# Altium PCB Spectre-Analyzer.PcbDoc (part 1 of 2)
Units mm, origin at the board's own origin, x right, y up, seen from the top; angles counter-clockwise.
Board outline 60 x 40 mm, 4 copper layers (Top Layer, GND, PWR, Bottom Layer), stack 1.586 mm thick; 93 components, 68 nets, 327 pads, 116 vias.
Unrouted connection lines stored in the file: 12.
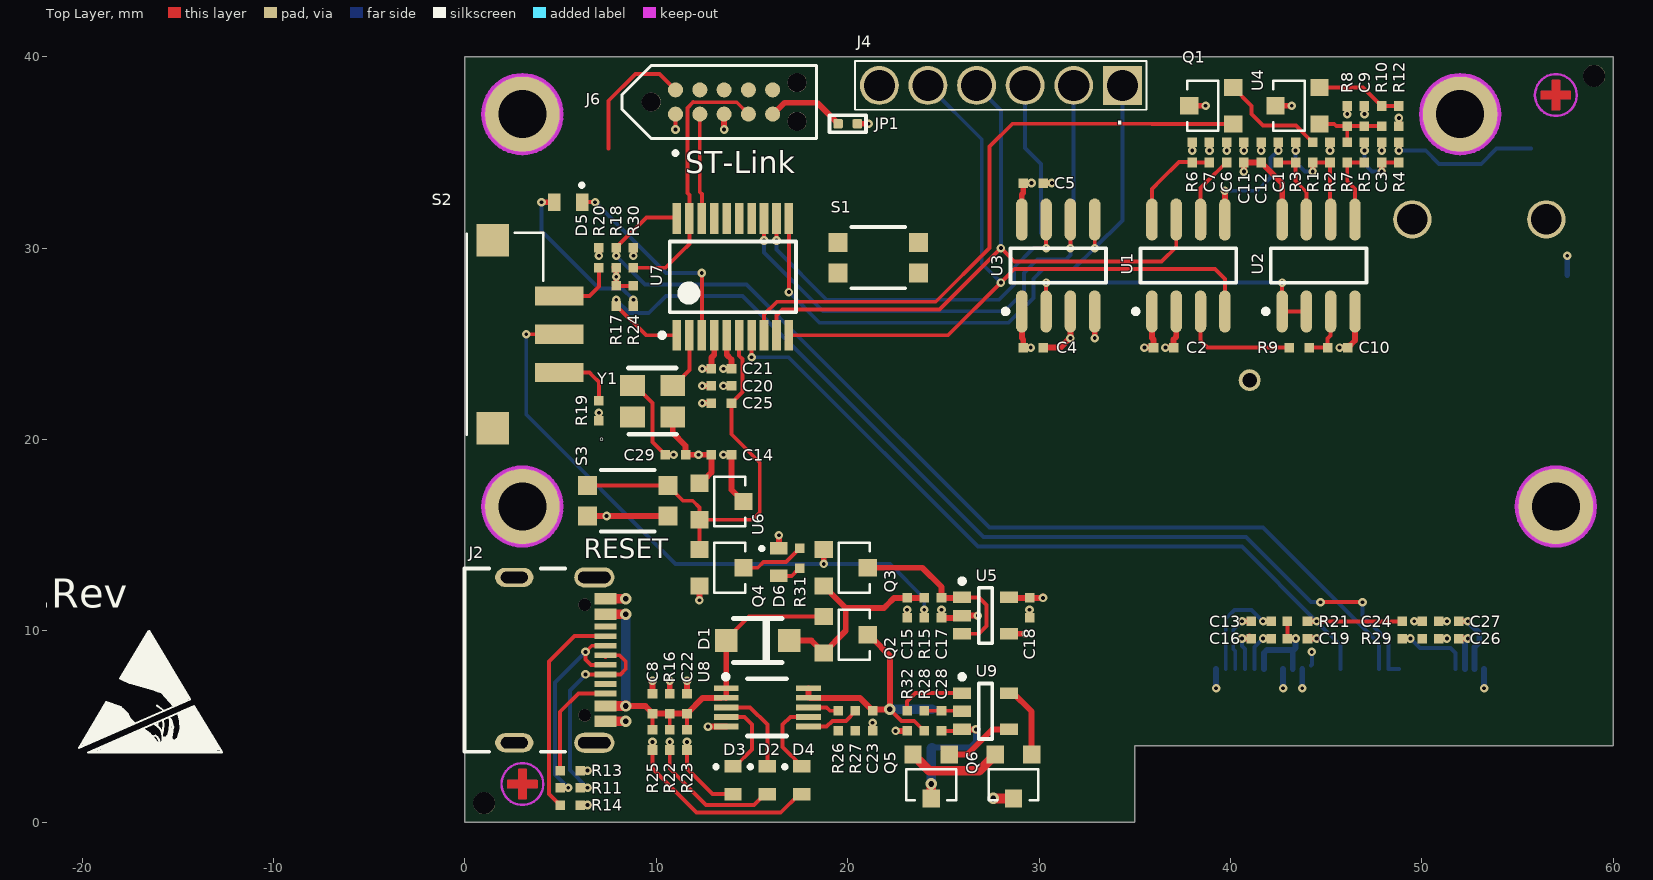
[diagram p0: Top Layer view]
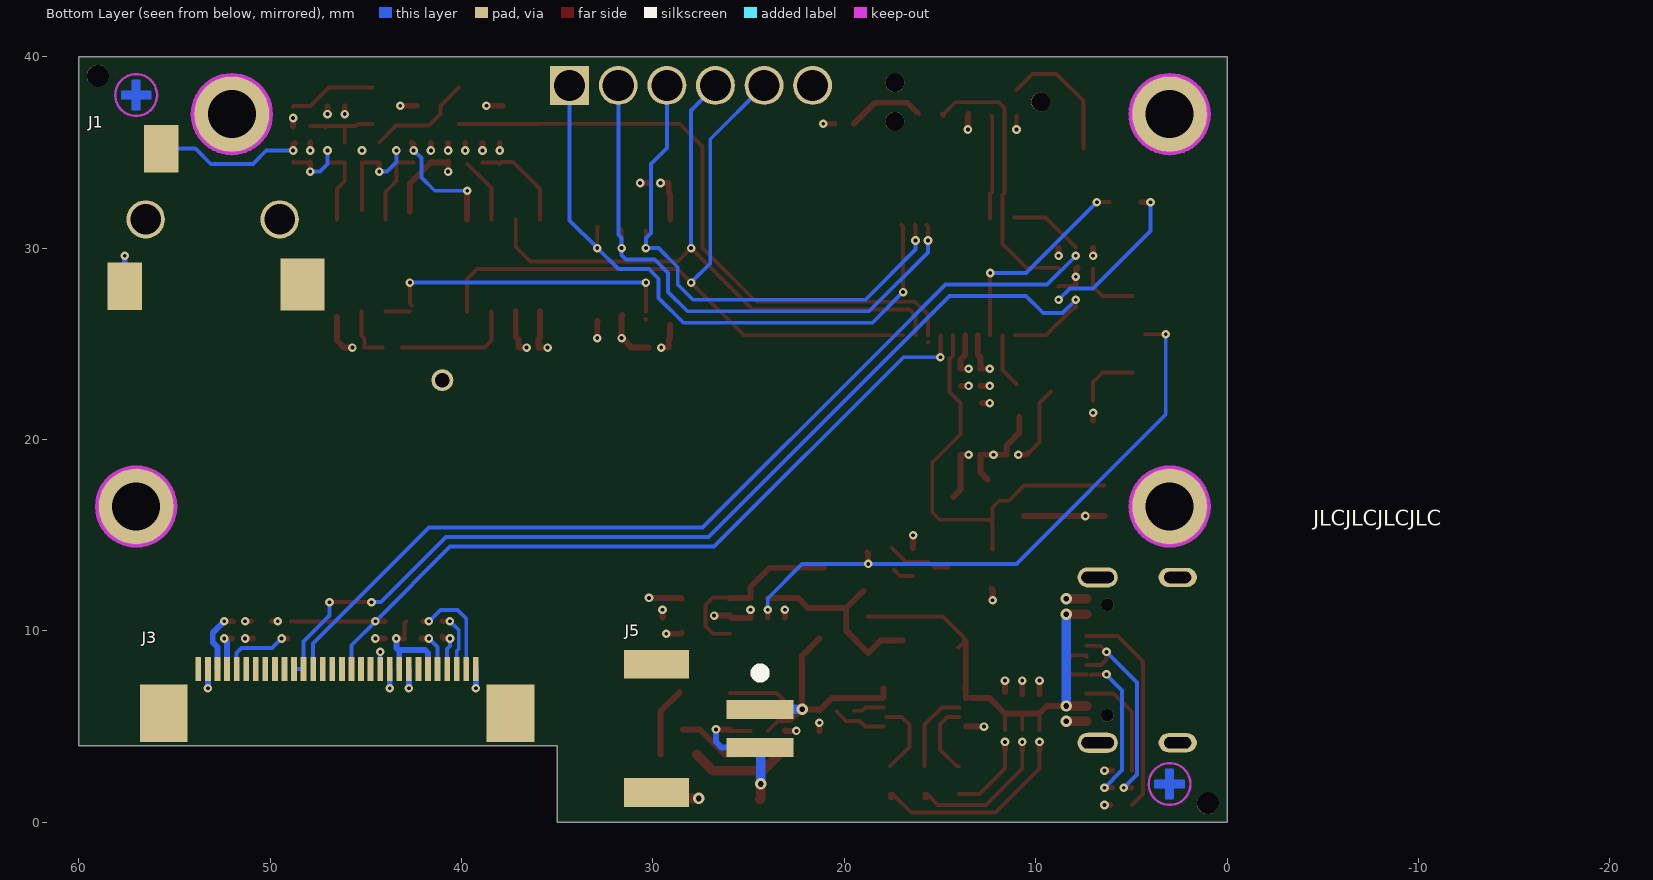
[diagram p1: Bottom Layer view, seen from below]
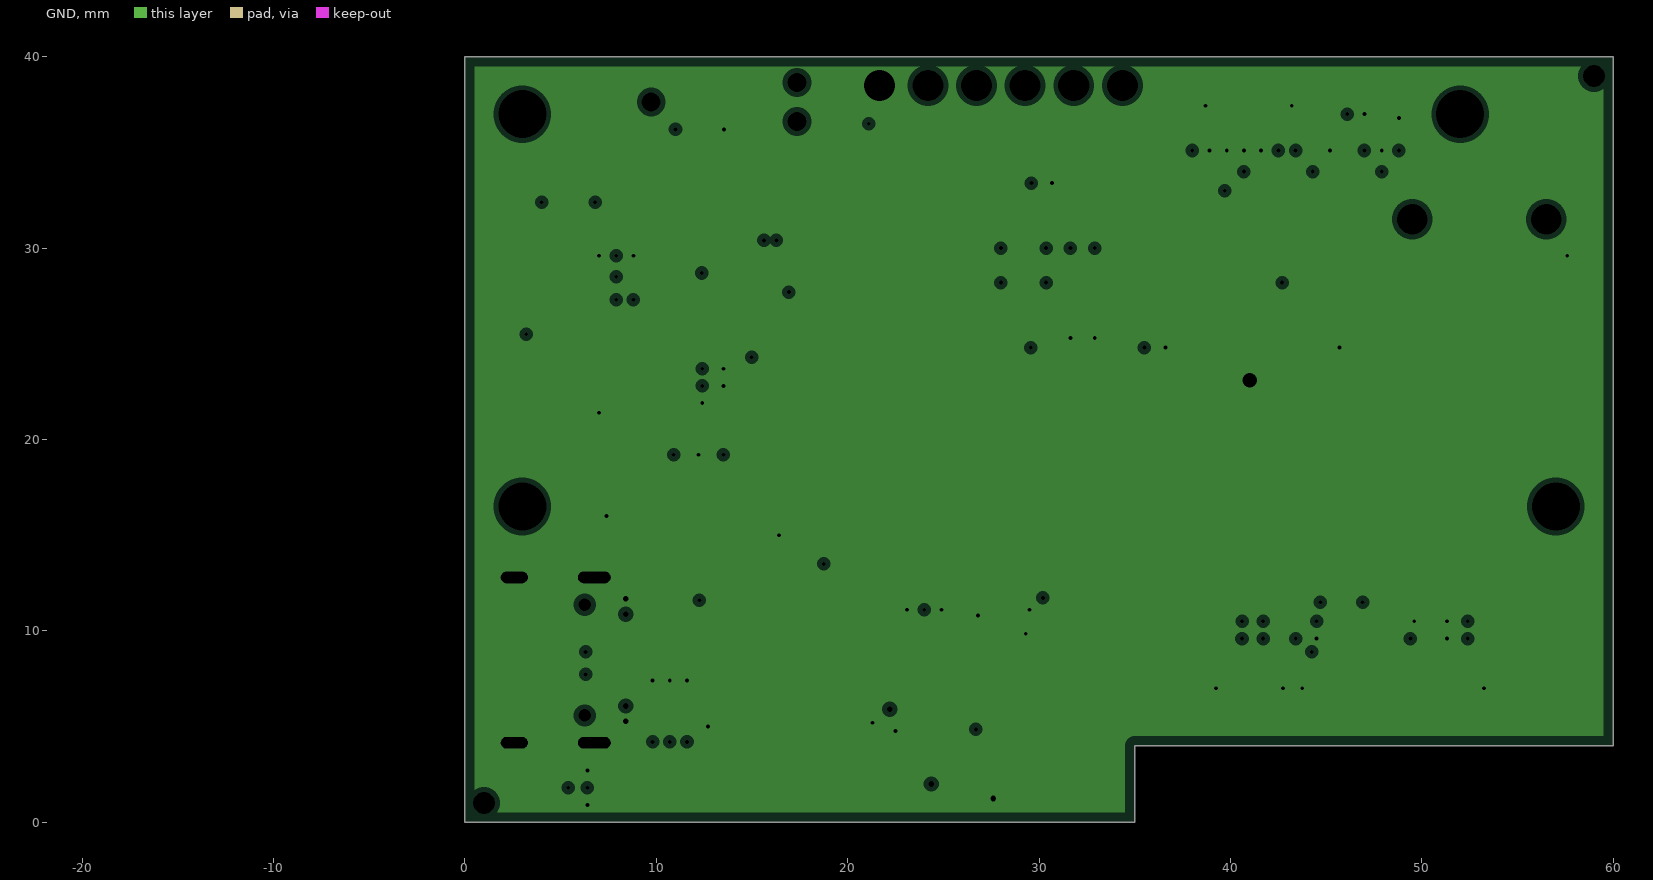
[diagram p2: GND, clearances drawn from the general rule]
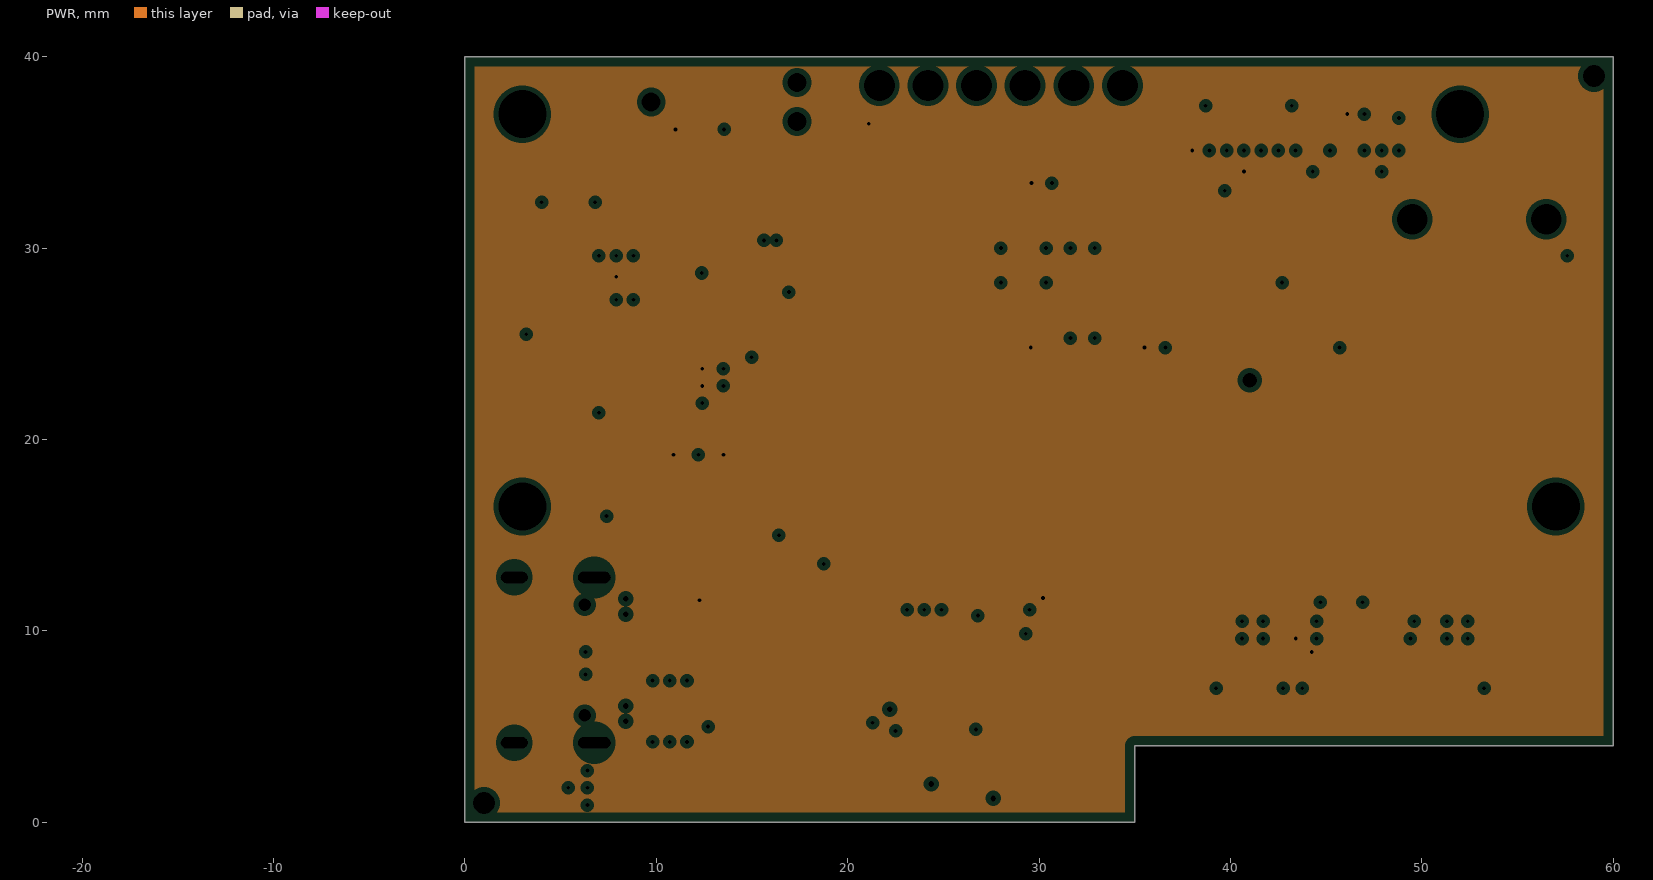
[diagram p3: PWR, clearances drawn from the general rule]
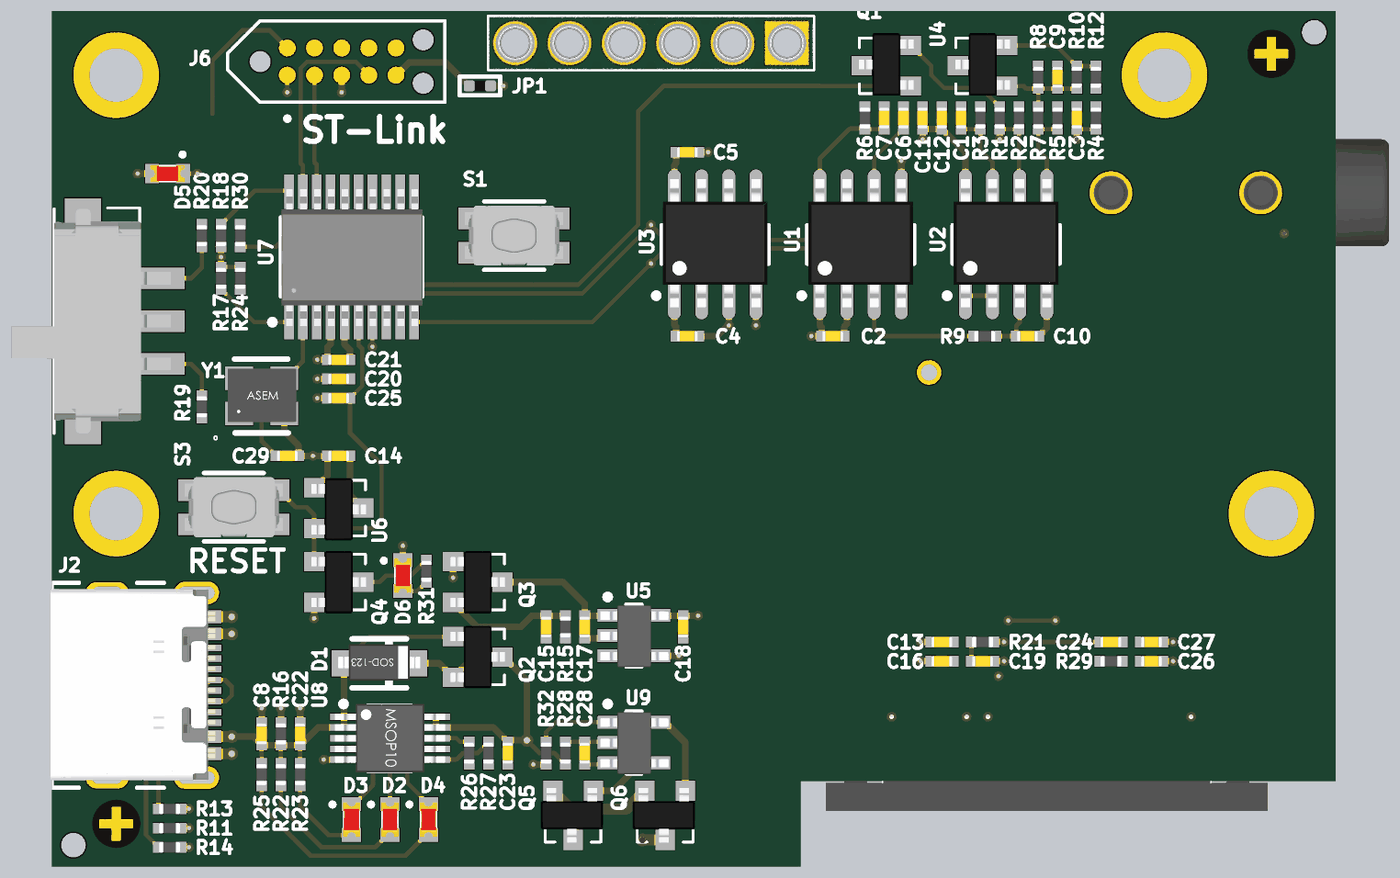
[diagram p5: 3D render of the assembled board from above, using the file's embedded part models]
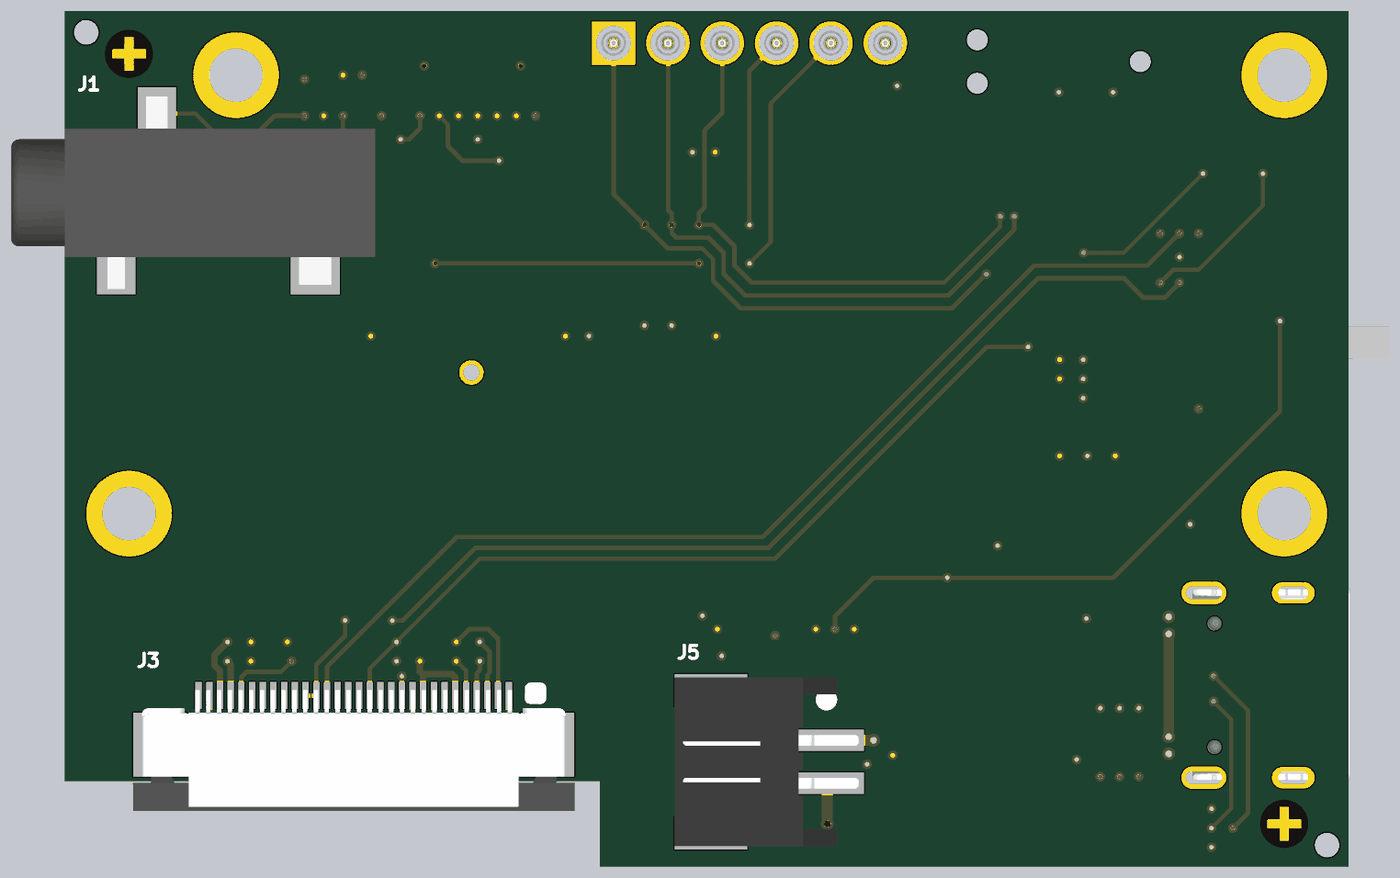
[diagram p6: 3D render of the assembled board from below, using the file's embedded part models]

## Layer stack, top to bottom
Top Solder: solder mask 0.01, Solder Resist, Dk 3.5
Top Layer: signal copper 0.035
Prepreg: prepreg 0.2104, FR-4, Dk 4.6
GND: plane copper 0.0152, net GND
Dielectric 2: core 1.065, Dk 4.6
PWR: plane copper 0.0152, net +3.3V
Dielectric 1: prepreg 0.2104, Dk 4.6
Bottom Layer: signal copper 0.035
Bottom Solder: solder mask 0.01, Solder Resist, Dk 3.5

## Board outline
0,0 0,40 60,40 60,4 35,4 35,0

## Design rules (kind name [scope] priority, off if disabled: settings)
BoardOutlineClearance [All] p1: gap=0.381 ignorepadtopadclearanceinfootprint=FALSE
Clearance "Clearance Polygons" [InPolygon] p1: gap=0.254 ignorepadtopadclearanceinfootprint=FALSE except(0: Arc-Hole Track-Hole SMDPad-Hole THPad-Hole Via-Hole Fill-Hole Poly-Hole Region-Hole Text-Hole)
Clearance [All] p2: gap=0.127 ignorepadtopadclearanceinfootprint=FALSE except(0: Arc-Hole Track-Hole SMDPad-Hole THPad-Hole Via-Hole Fill-Hole Poly-Hole Region-Hole Text-Hole)
ComponentClearance "HM-TRP & UFL" [InComponent('X1') vs InComponent('U1')] p1: gap=0 collisioncheckmode=3 verticalgap=0 showdistances=FALSE
ComponentClearance [All] p2: gap=0.025 collisioncheckmode=3 verticalgap=0.025 showdistances=FALSE
DiffPairsRouting [All] p1: maxlimit=10 minlimit=0.127 mostfreqgap=0.203 toplayer_minwidth=0.127 toplayer_maxwidth=0.381 toplayer_prefwidth=0.203 bottomlayer_minwidth=0.127 bottomlayer_maxwidth=0.381 bottomlayer_prefwidth=0.203 maxuncoupledlength=12.7
HoleSize [All] p1: absolutevalues=TRUE maxlimit=6.731 minlimit=0.2 maxpercent=80.000 minpercent=20.000
HoleToHoleClearance [All] p1: gap=0.254 allowstackedmicrovias=FALSE
MinimumAnnularRing [All] p1: minimumring=0.102
MinimumSolderMaskSliver [All] p1: minsoldermaskwidth=0
PlaneClearance [All] p1: clearance=0.254
PlaneConnect [All] p1: planeconnectstyle=Relief reliefexpansion=0.102 reliefentries=4 reliefconductorwidth=0.152 reliefairgap=0.152
PolygonConnect "Via connect style" [isVia] p1: connectstyle=Direct reliefconductorwidth=0.254 reliefentries=4 polygonreliefangle="90 Angle" airgapwidth=0.254
PolygonConnect [All] p2: connectstyle=Relief reliefconductorwidth=0.254 reliefentries=4 polygonreliefangle="90 Angle" airgapwidth=0.152
RoutingCorners [All] p1: cornerstyle=45-Degree minsetback=1.25 maxsetback=1.25
RoutingVias [All] p1: holewidth=0.305 width=0.559 viastyle="Through Hole" minholewidth=0.254 minwidth=0.457 maxholewidth=2.54 maxwidth=2.896
SilkToSilkClearance [All] p1: silktosilkclearance=0
SilkToSolderMaskClearance [IsPad] p1: minsilkscreentomaskgap=0.025 clearancetoexposedcopper=TRUE
SolderMaskExpansion [All] p1: expansion=0.064
Width GND [InNet('GND')] p1: maxlimit=0.762 minlimit=0.254 preferedwidth=0.508
Width Power [InNetClass('Power')] p2: maxlimit=1.016 minlimit=0.508 preferedwidth=0.762
Width 3V3 [InNetClass('3V3')] p3: maxlimit=0.762 minlimit=0.254 preferedwidth=0.508
Width [All] p4: maxlimit=10.16 minlimit=0.152 preferedwidth=0.203
20 further rules are at their usual default settings.

## Classes and differential pairs
component class "Power Input": D1 Q2 Q3 Q4 R15 R16 R17 R18 R21 R26 R30 R31
component class -: C8 C27 R11 R13 R14 R19 R20
component class Interface: "  " C1 C2 C6 C7 C10 C12 C13 C14 C15 C16 C17 C18 C19 C20 C21 C22 C23 C24 C25 C26 C28 C29 D2 D3 D4 D5 D6 R24 R27 R29 R32

## Components (designator, comment, footprint, x,y, rotation, side; value= is the part's Value field where it differs from the comment)
C1 "0.1uF" 0402 42.5,35 r270 top
C2 "0.1uF" 0402 36.5,24.8 r180 top
C3 "100pF" 0402 47.9,35 r270 top
C4 "2.2uF" 0402 29.7,24.8 r180 top
C5 "2.2uF" 0402 29.7,33.4 r180 top
C6 "0.1uF" 0402 39.8,35 r270 top
C7 "33pF" 0402 38.9,35 r270 top
C8 "10uF" 0402 9.8,6.2 r270 top
C9 "2.2uF" 0402 47,36.9 r270 top
C10 "0.1uF" 0402 45.6,24.8 r180 top
C11 "2.2uF" 0402 40.7,35 r270 top
C12 "0.1uF" 0402 41.6,35 r270 top
C13 "2.2uF" 0402 41.6,10.5 r180 top
C14 "0.1uF" 0402 13.4,19.2 r0 top
C15 "2.2uF" 0402 23.1,11.2 r90 top
C16 "2.2uF" 0402 41.6,9.6 r0 top
C17 "2.2uF" 0402 24.9,11.2 r90 top
C18 "2.2uF" 0402 29.5,11.2 r90 top
C19 "2.2uF" 0402 43.5,9.6 r180 top
C20 "2.2uF" 0402 13.4,22.8 r180 top
C21 "0.1uF" 0402 13.4,23.7 r180 top
C22 "2.2uF" 0402 11.6,6.2 r270 top
C23 "2.2uF" 0402 21.3,5.3 r90 top
C24 "0.1uF" 0402 49.5,10.5 r180 top
C25 "0.1uF" 0402 13.4,21.9 r0 top
C26 "2.2uF" 0402 51.4,9.6 r0 top
C27 "10uF" 0402 51.4,10.5 r0 top
C28 "0.1uF" 0402 24.9,5.3 r90 top
C29 "0.01uF" 0402 11,19.2 r180 top
D1 "1N5819" SOD-123 15.3,9.5 r0 top
D2 "LED_ORG" 0603_LED_Red 15.8,2.2 r90 top
D3 "LED_GRN" 0603_LED_Red 14,2.2 r90 top
D4 "LED_RED" 0603_LED_Red 17.6,2.2 r90 top
D5 "LED_GRN" 0603_LED_Red 5.4,32.4 r0 top
D6 "LED_RED" 0603_LED_Red 16.4,13.6 r90 top
J1 "STX-3500-3NTR" STX-3500-3NTR 49.5,31.5 r90 bottom locked
J2 "USB4105-GF-A" USB4105-GF-A 4,8.5 r270 top locked
J3 "ER-CON30HT-1" ER-CON30HT-1 46.5,5 r180 bottom
J4 "HEADER 6" 801-43-006-10-012000 28,38.5 r180 top
J5 "S2B-PH-SM4-TB(LF)(SN)" S2B-PH-SM4-TB(LF)(SN) 31.5,9 r270 bottom locked
J6 "TC2050-IDC-NL" TC2050-IDC-NL-FP 11,37 r90 top locked
JP1 "Solder Jumper" "SOLDER JUMPER" 20,36.5 r0 top
Q1 "AO3400A" SOT-23-3 39,37.5 r90 top
Q2 "AO3401A" SOT-23 19.9,9.8 r270 top
Q3 "AO3401A" SOT-23 19.9,13.3 r270 top
Q4 "AO3401A" SOT-23 13.4,13.3 r270 top
Q5 "AO3400A" SOT-23-3 24.3,2.4 r180 top
Q6 "AO3400A" SOT-23-3 28.6,2.4 r180 top
R1 "10k" 0402 44.3,35 r270 top
R2 "10k" 0402 45.2,35 r270 top
R3 "10k" 0402 43.4,35 r270 top
R4 "680" 0402 48.8,35 r270 top
R5 "10k" 0402 47,35 r270 top
R6 "200k" 0402 38,35 r270 top
R7 "10k" 0402 46.1,35 r270 top
R8 "680" 0402 46.1,36.9 r270 top
R9 "1k" 0402 43.6,24.8 r0 top
R10 "3.3k" 0402 47.9,36.9 r90 top
R11 "0" 0402 5.5,1.8 r0 top
R12 "10k" 0402 48.8,36.9 r270 top
R13 "5.1k" 0402 5.5,2.7 r180 top
R14 "5.1k" 0402 5.5,0.9 r180 top
R15 "10k" 0402 24,11.2 r90 top
R16 "10k" 0402 10.7,6.2 r270 top
R17 "10k" 0402 7.9,27.5 r90 top
R18 "10k" 0402 7.9,29.5 r270 top
R19 "0" 0402 7,21.5 r270 top
R20 "DNP" 0402 7,29.5 r90 top
R21 "10k" 0402 43.5,10.5 r180 top
R22 "1k" 0402 10.7,4.3 r270 top
R23 "1k" 0402 11.6,4.3 r270 top
R24 "1k" 0402 8.8,27.5 r90 top
R25 "1k" 0402 9.8,4.3 r270 top
R26 "10k" 0402 19.5,5.3 r90 top
R27 "2.7k" 0402 20.4,5.3 r270 top
R28 "330" 0402 24,5.3 r90 top
R29 "390k" 0402 49.5,9.6 r180 top
R30 "10k" 0402 8.8,29.5 r270 top
R31 "1k" 0402 17.5,13.8 r90 top
R32 "2.7k" 0402 23.1,5.3 r270 top
S1 "KMR243GLFG" "KMR 2 Series" 21.6,29.5 r180 top
S2 "SS312SAH4-R" SW_SS312SAH4-R 3.4,25.5 r0 top locked
S3 "KMR243GLFG" "KMR 2 Series" 8.5,16.8 r180 top
U1 "MSGEQ7N" SOIC-8 37.8,29.1 r90 top
U2 "MCP6002" SOIC-8 44.6,29.1 r90 top
U3 "MCP3001" SOIC-8 31,29.1 r90 top
U4 "TLV431" SOT-23-3 43.5,37.5 r90 top
U5 "TPS78233DDCR" TSOT23-5 27.2,10.8 r0 top
U6 "TPS3809K33DBVR" SOT-23-3 13.4,16.7 r270 top
U7 "STM32G031F8P6" TSSOP-20 14,28.5 r90 top locked
U8 "MCP73833" MSOP-10 15.8,6 r270 top
U9 "AP9101" TSOT23-5 27.2,5.8 r0 top
Y1 "ASE-10.000-MHZ-E-T" ASE-XXXXX-X-X-X 9.8,22 r0 top locked

## Footprints (in the part's own frame and the unit in brackets; to place one, negate y for a bottom-side part, rotate by r counter-clockwise, add the part's x,y. Pads: shape width x height; smd on the part's side, far side on the other; paste and mask are expansions set on the pad)
0402 [mm] "Chip Capacitor; Body 1.0 x 0.5 mm (LxW typ)"
  rect 0.5x0.5 smd mask+0.038: 1(-0.525,0) 2(0.525,0)
  body extent -0.5,-0.25 0.5,0.25, height 0.6
0603_LED_Red [mm]
  rect 0.65x0.9 smd mask+0.038: 1(-0.725,0) 2(0.725,0)
  silkscreen extent 0.64,0.83 0.76,0.95, body extent -0.8,-0.4 0.8,0.4, height 0.6
801-43-006-10-012000 [mil] "6 Position Receptacle Connector 0.100\" (2.54mm) Through Hole Gold"
  rect 80x80 hole 64: 1(-250,0)
  round 80 hole 64: 2(-150,0) 3(-50,0) 4(50,0) 5(150,0) 6(250,0)
  silkscreen extent -300,-50 300,50, body extent -300,-50 300,50, height 110
ASE-XXXXX-X-X-X [mil] "OSC XO x.xxxMHZ CMOS SMD"
  rect 51x43 smd mask+1.5: 1(-41.5,-32.5) 2(41.5,-32.5) 3(41.5,32.5) 4(-41.5,32.5)
  silkscreen extent -50,-68 49,68, body extent -62,-48 64,50, height 34
ER-CON30HT-1 [mm]
  rect 0.3x1.25 smd paste+0: 1(7.25,3) 2(6.75,3) 3(6.25,3) 4(5.75,3) 5(5.25,3) 6(4.75,3) 7(4.25,3) 8(3.75,3) 9(3.25,3) 10(2.75,3) 11(2.25,3) 12(1.75,3) 13(1.25,3) 14(0.75,3) 15(0.25,3) 16(-0.25,3) 17(-0.75,3) 18(-1.25,3) 19(-1.75,3) 20(-2.25,3) 21(-2.75,3) 22(-3.25,3) 23(-3.75,3) 24(-4.25,3) 25(-4.75,3) 26(-5.25,3) 27(-5.75,3) 28(-6.25,3) 29(-6.75,3) 30(-7.25,3)
  rect 2.5x3 smd paste+0: S1(9.06,0.7) S2(-9.06,0.7)
  rrect50% 1x1 on Bottom Overlay: ""(8.5,3.1)
  body extent -10.32,-2.4 10.33,3.25, height 2.2
"KMR 2 Series" [mm]
  rect 1x1 smd: 1(-2.1,0.8) 1(2.1,0.8) 2(-2.1,-0.8) 2(2.1,-0.8)
  silkscreen extent -1.4,-1.6 1.4,1.6, body extent -2.3,-1.4 2.3,1.4, height 1.92
MSOP-10 [mm]
  rect 0.3x1.3 smd mask+0.038: 1(-1,-2.15) 2(-0.5,-2.15) 3(0,-2.15) 4(0.5,-2.15) 5(1,-2.15) 6(1,2.15) 7(0.5,2.15) 8(0,2.15) 9(-0.5,2.15) 10(-1,2.15)
  silkscreen extent -1.72,-2.3 1.5,1, body extent -1.6,-2.57 1.6,2.58, height 1.09
S2B-PH-SM4-TB(LF)(SN) [mm]
  rect 1x3.5 smd: 1(3.1,7.1) 2(5.1,7.1)
  rect 1.5x3.4 smd: S1(0.75,1.7) S2(7.45,1.7)
  silkscreen extent 1,6.9 1.4,7.3, body extent 0.15,0 8.05,8.6, height 4.8
SOD-123 [mil]
  rect 46x48 smd: 1(-65,0) 2(65,0)
  silkscreen extent -50,-45 50,45, body extent -76,-32 76,35, height 56
SOIC-8 [mm]
  oval 2.2x0.6 smd mask+0.038: 1(-2.41,1.905) 2(-2.41,0.635) 3(-2.41,-0.635) 4(-2.41,-1.905) 5(2.39,-1.905) 6(2.39,-0.635) 7(2.39,0.635) 8(2.39,1.905)
  silkscreen extent -2.53,-2.5 0.89,2.88, body extent -2.96,-2.45 3.04,2.45, height 1.75
"SOLDER JUMPER" [mm]
  rrect35% 0.5x0.5 smd mask+0: 1(-0.5,0) 2(0.5,0)
  silkscreen extent -0.95,-0.44 0.95,0.44
SOT-23 [mm] "SOT-23"
  rect 0.9x0.95 smd mask+0.038: 1(-0.95,-1.15) 2(0,1.15) 3(0.95,-1.15)
  silkscreen extent -1.3,-0.37 1.3,1.25, body extent -1.46,-1.27 1.46,1.27, height 0.98
SOT-23-3 [mm] "TO-236-3, SC-59, SOT-23-3"
  rect 0.9x0.95 smd mask+0.038: 1(-1.009,-1.145) 2(0.891,-1.145) 3(-0.059,1.155)
  silkscreen extent -1.36,-0.37 1.24,1.26, body extent -1.46,-1.27 1.46,1.27, height 0.98
STX-3500-3NTR [mm]
  rect 2.475x1.8 smd: 1(-3.5,8.1) 3(3.7,6.2)
  rect 2.7x2.3 smd: 2(-3.4,-1.2)
  round 2 hole 1.6: ""(0,0) ""(0,7)
  body extent -4.5,-4 4.5,13, height 5
SW_SS312SAH4-R [mm]
  rect 2.55x1 smd: 1(1.525,-2) 2(1.525,0) 3(1.525,2)
  rect 1.7x1.7 smd: 4(-1.95,-4.9) 5(-1.95,4.9)
  silkscreen extent -3.3,-5.25 0.7,5.3, body extent -5.29,-5.25 2.16,5.25, height 3
TC2050-IDC-NL-FP [mm]
  round 0.787 smd paste-1: 1(0,0) 2(0,-1.27) 3(0,-2.54) 4(0,-3.81) 5(0,-5.08) 6(1.27,-5.08) 7(1.27,-3.81) 8(1.27,-2.54) 9(1.27,-1.27) 10(1.27,0)
  round 0.991 hole 0.991 unplated: ""(-0.38,-6.35) ""(0.635,1.27) ""(1.65,-6.35)
  silkscreen extent -2.13,-7.37 2.54,2.79
TSOT23-5 [mm] "5-Lead Thin Small Outline Transistor Package [TSOT] (UJ-5)"
  rect 0.95x0.6 smd mask+0.038: 1(-1.225,0.95) 2(-1.225,0) 3(-1.225,-0.95) 4(1.225,-0.95) 5(1.225,0.95)
  silkscreen extent -1.35,-1.45 0.35,1.92, body extent -1.57,-1.48 1.62,1.42, height 0.94
TSSOP-20 [mm]
  rect 1.6x0.45 smd mask+0.038: 1(-3.05,2.925) 2(-3.05,2.275) 3(-3.05,1.625) 4(-3.05,0.975) 5(-3.05,0.325) 6(-3.05,-0.325) 7(-3.05,-0.975) 8(-3.05,-1.625) 9(-3.05,-2.275) 10(-3.05,-2.925) 11(3.05,-2.925) 12(3.05,-2.275) 13(3.05,-1.625) 14(3.05,-0.975) 15(3.05,-0.325) 16(3.05,0.325) 17(3.05,0.975) 18(3.05,1.625) 19(3.05,2.275) 20(3.05,2.925)
  silkscreen extent -3.17,-3.3 1.85,3.82, body extent -3.22,-3.33 3.17,3.28, height 1.7
USB4105-GF-A [mm]
  oval 1.05x2.1 hole 0.6 slot 1.7 at 90 deg: 1(-4.295,2.758) 4(4.345,2.758)
  oval 1x2 hole 0.6 slot 1.4 at 90 deg: 2(-4.295,-1.422) 3(4.345,-1.422)
  rect 0.6x1.15 smd: A1_B12(-3.175,3.333) A4_B9(-2.375,3.333) B1_A12(3.225,3.333) B4_A9(2.425,3.333)
  rect 0.3x1.15 smd: A5(-1.225,3.333) A6(-0.225,3.333) A7(0.275,3.333) A8(1.275,3.333) B5(1.775,3.333) B6(0.775,3.333) B7(-0.725,3.333) B8(-1.725,3.333)
  round 0.65 hole 0.65 unplated: ""(-2.865,2.258) ""(2.915,2.258)
  silkscreen extent -4.76,-4.02 4.82,1.23, body extent -4.47,-4.06 4.47,3.64, height 3.27

## Part data
C1 C2 C6 C10 C12 C14 C21 C24 C25 C28: library part CAP, "CAP CER 0.1UF 50V X7R 0402", Manufacturer="Taiyo Yuden", Part Number=UMK105B7104KVHF, Voltage=50V, ClassName=Interface
C3: library part CAP, "CAP CER 100PF 16V X7R 0402", Manufacturer="Vishay Vitramon", Part Number=VJ0402Y101KXJCW1BC, Voltage=16V
C4 C5 C9 C11 C15 C17 C18 C20 C22 C23: library part CAP, "CAP CER 2.2UF 25V X5R 0402", Manufacturer="Murata Electronics", Part Number=GRM155R61E225KE11D, Voltage=25V
  C15 C17 C18 C20 C22 C23: ClassName=Interface
C7: library part CAP, "CAP CER 33PF 50V X7R 0402", Manufacturer="KYOCERA AVX", Part Number=04025C330JAT2A, Voltage=50V, ClassName=Interface
C8 C27: library part CAP, "CAP CER 10UF 10V X5R 0402", Manufacturer="Samsung Electro-Mechanics", Part Number=CL05A106MP5NUNC, Voltage=10V, ClassName=-
C13 C16 C19 C26: library part CAP, "CAP CER 2.2UF 25V X5R 0402", Manufacturer="Murata Electronics", Part Number=GRM188C81A106MA73D, Voltage=25V, ClassName=Interface
C29: library part CAP, "CAP CER 0.01UF 100V X7R 0402", Manufacturer="Taiyo Yuden", Part Number=HMR105B7103MV-F, Voltage=100V, ClassName=Interface
D1: library part DIODE_SCHOTTKY, "DIODE SCHOTTKY 40V 1A SOD123", Manufacturer="Diodes Incorporated", Part Number=1N5819HW-7-F, ClassName="Power Input"
D2 D3 D4 D5 D6: library part LED_Red, "Standard LEDs - SMD HE Red 645 nm Water Clear", Manufacturer=Bivar, Part Number=SM0603HCL, ClassName=Interface
J1: "CONN JACK STEREO 3.5MM SMD R/A", Manufacturer="Kycon, Inc.", Part Number=STX-3500-3NTR
J2: "CONN RCP USB2.0 TYP C 24P SMD RA", Manufacturer=GCT, Part Number=USB4105-GF-A
J3: "30 PINS 0.5 PITCH SMD TOP CONTACT CONN", Manufacturer="EastRising Technology", Part Number=ER-CON30HT-1
J4: library part 801-43-006-10-012000, "CONN SOCKET STRIP 6 POS 0.1\"", Manufacturer=Mill-Max, Part Number=801-43-006-10-012000
J5: "CONN HEADER SMD R/A 2POS 2MM", Manufacturer="JST Sales America Inc.", Part Number=S2B-PH-SM4-TB(LF)(SN)
J6: "CBL PLUG-OF-NAILS 10-PIN", Manufacturer="Tag-Connect LLC", Part Number=TC2050-IDC-NL
JP1: library part SolderJumper_Single, "Solder Jumper Single 0.5mm Pitch"
Q1 Q5 Q6: library part MOSFET_N, "MOSFET N-CH 30V 5.7A SOT23-3L", Manufacturer="Alpha & Omega Semiconductor Inc.", Part Number=AO3400A
Q2 Q3 Q4: library part MOSFET_P, "MOSFET P-CH 30V 4A SOT23-3L", Manufacturer="Alpha & Omega Semiconductor Inc.", ClassName="Power Input", Part Number=AO3401A
R1 R2 R3 R5 R7 R12 R15 R16 R17 R18 R21 R26 R30: library part RES, "RES SMD 10K OHM 1% 1/16W 0402", Manufacturer=Bourns, Part Number=CR0402-FX-1002GLF
  R15 R16 R17 R18 R21 R26 R30: ClassName="Power Input"
R4 R8: library part RES, "RES SMD 680 OHM 1% 1/16W 0402", Manufacturer=Bourns, Part Number=CR0402-FX-6800GLF
R6: library part RES, "RES SMD 200K OHM 1% 1/16W 0402", Manufacturer=Bourns, Part Number=CR0402-FX-2003GLF
R9 R22 R23 R24 R25: library part RES, "RES 1K OHM 1% 1/16W 0402", Manufacturer=Bourns, Part Number=CR0402AFX-1001GLF
  R24: ClassName=Interface
R10: library part RES, "RES SMD 3.3K OHM 1% 1/16W 0402", Manufacturer=Bourns, Part Number=CR0402-FX-3301GLF
R11 R19 R20: library part RES, "Thick Film Resistors - SMD 1/16watt 0ohm Commercial Use", Manufacturer="Vishay / Dale", Part Number=CRCW04020000Z0EDC, ClassName=-
R13 R14: library part RES, "RES SMD 5.1K OHM 1% 1/16W 0402", Manufacturer="Vishay / Dale", Part Number=CRCW04025K10FKED, ClassName=-
R27 R32: library part RES, "RES SMD 2.7K OHM 1% 1/16W 0402", Manufacturer=Bourns, Part Number=CR0402-FX-2701GLF, ClassName=Interface
R28: library part RES, "RES 330 OHM 1% 1/16W 0402", Manufacturer=Bourns, Part Number=CR0402AFX-3300GLF
R29: library part RES, "RES SMD 390K OHM 1% 1/16W 0402", Manufacturer="Bourns Inc.", Part Number=CR0402-FX-3903GLF, ClassName=Interface
R31: library part RES, "RES SMD 1K OHM 1% 1/16W 0402", Manufacturer=Bourns, Part Number=CR0402-FX-1001GLF, ClassName="Power Input"